# Allegro board RK3588_Template_LP4XD200P232SD8_41R0X41R0_2133MHz_H1R0_V11_20220216.brd (continued)
## Routing (per net, layer and track width the routed paths; a pad name or vN(x,y) marks a point on that pad's centre or on a via; arc(x,y) is an arc through that point) (continued)
52.7,60.94 52.7,61.12 U1000.AL23 52.57,61.72 ; 53.26,60.38 U1000.AJ22 ; U1000.W2 v1(66.26,53.23) ; U1000.W2 v1(66.91,53.88) ; U1000.W2 v1(66.26,53.88) ; v1(66.26,53.23) U1000.W3 ; U1000.A1 v1(67.56,41.53) ; U1000.V24 v1(51.97,53.23) ; U1000.U15 v1(58.46,52.58) U1000.V15 ; 53.25,45.41 U1000.F23 ; U1000.AA22 v1(53.92,55.18) U1000.AA21 ; U1000.AA22 53.28,54.55 ; U1000.AA22 v1(53.27,55.18) U1000.AA23 ; 56.83,58.1 56.52,57.78 ; 56.83,58.1 56.85,58.1 ; 56.83,58.1 57.15,58.41 57.18,58.41 ; 56.52,57.78 56.77,57.53 56.9,57.53 57.15,57.79 ; 56.52,57.78 U1000.AE18 U1000.AE19 55.22,57.13 ; U1000.Y15 v1(57.81,54.53) ; U1000.Y15 58.44,53.9 58.49,53.9 ; v1(57.81,54.53) U1000.AA16 ; v1(57.81,54.53) 57.49,54.2 U1000.Y16 ; U1000.F16 57.16,44.78 56.84,45.1 ; U1000.AB16 57.81,55.18 57.49,54.85 U1000.AA16 ; U1000.AB16 57.49,55.5 57.81,55.83 U1000.AC16 v1(57.81,56.48) U1000.AD16 57.49,56.8 57.81,57.13 ; U1000.AB16 U1000.AA17 ; U1000.J10 61.41,47.05 61.72,46.74 ; U1000.J10 61.72,47.38 ; U1000.D31 v1(47.41,43.48) U1000.C32 ; v1(60.41,46.73) 60.09,47.05 U1000.J12 v1(59.76,46.73) ; v1(60.41,46.73) U1000.H12 ; 54.59,47.35 54.54,47.35 U1000.J21 ; 55.87,47.38 U1000.K18 ; 55.87,47.38 U1000.J19 ; U1000.AC5 64.96,56.48 ; U1000.AC5 v1(64.97,55.83) ; U1000.AC5 64.32,55.83 ; 64.96,56.48 U1000.AC4 ; 57.81,53.24 U1000.V15 ; 57.81,53.24 57.82,53.24 U1000.W15 ; 65.62,61.03 v1(65.61,61.03) 65.29,60.7 U1000.AK4 64.97,61.03 ; 65.62,61.03 65.3,61.35 U1000.AL4 ; v1(45.34,32.51) 45.85,33.02 45.85,35.05 49.8,39 49.8,41.24 49.91,41.36 v1(49.91,41.4) ; 59.76,58.43 59.44,58.1 U1000.AF13 ; 59.76,58.43 U1000.AF12 ; 59.76,58.43 U1000.AG12 ; 56.18,71.5 56.39,71.29 56.39,69.6 56.51,69.48 56.51,63.71 56.52,63.7 v1(56.52,63.63) U1000.AP17 ; v1(44.96,58.43) v1(43.31,58.43) v1(41.4,58.43) v1(40.01,59.82) 38.35,59.82 ; U1000.AA21 54.57,54.52 ; U1000.AA21 v1(54.57,55.18) ; U1000.H25 51.32,46.73 ; U1000.H25 51.96,46.73 ; U1000.H25 51.33,46.09 51.3,46.09 ; 51.31,46.73 U1000.H26 ; 51.32,46.73 U1000.J25 ; U1000.P20 54.57,49.98 ; U1000.P20 55.22,50.63 ; 54.56,49.98 U1000.N20 ; v1(66.26,60.38) 65.94,60.05 U1000.AJ3 65.94,60.05 U1000.AH4 ; 55.87,52.59 55.86,52.59 U1000.V19 ; U1000.J29 49.04,47.05 49.38,46.71 ; 53.92,48.68 U1000.M22 ; 58.46,49.33 58.47,49.33 ; 58.46,49.33 U1000.M15 ; 58.46,49.33 U1000.N14 58.79,49.65 v1(58.46,49.98) ; 58.47,49.33 U1000.N15 v1(58.46,49.98) ; 64.31,55.17 U1000.AA6 ; 64.31,55.17 64.31,55.18 U1000.AB6 64.32,55.83 ; 64.31,55.17 U1000.AB5 ; U1000.AA6 63.64,54.5 63.94,54.2 U1000.Y6 ; U1000.AA6 64.37,54.47 ; 60.44,57.76 60.43,57.76 v1(60.41,57.78) ; v1(46.76,43.48) U1000.C32 ; U1000.C32 v1(46.76,42.83) U1000.B33 v1(46.11,42.83) ; 61.39,54.85 U1000.Y11 ; 61.72,47.38 U1000.K9 ; U1000.J24 51.97,46.73 ; U3801.V8 57.02,28.34 v1(56.97,28.39) ; v1(63.66,59.08) 63.99,58.75 ; U1000.AF13 v1(59.11,58.43) U1000.AF14 ; 61.72,58.42 62.36,57.78 ; 61.72,58.42 U1000.AG10 ; U1000.AF12 60.1,58.1 ; v1(55.22,51.93) U1000.T20 ; v1(55.22,51.93) 54.89,52.25 U1000.U20 ; v1(55.22,51.93) U1000.T19 ; U3801.T5 v1(58.69,30.72) ; U1000.G3 v1(66.26,45.43) U1000.F3 v1(66.26,44.78) 65.94,44.45 U1000.E3 ; 63.39,52.2 63,52.59 ; 63.39,52.2 v1(63.66,51.93) 63.66,51.96 63.98,52.27 ; 63.39,52.2 63.39,52.3 ; 63,52.59 63,52.57 62.37,51.93 ; 63,52.59 U1000.V8 ; 55.21,45.42 55.53,45.1 U1000.F19 ; 55.21,45.42 U1000.G19 ; v1(56.91,34.1) 57.01,33.99 57.01,33.57 U3801.V1 57.35,33.2 v1(57.35,33.2) ; v1(10.45,55.75) 10.45,55.77 10.45,55.77 U4000.J5 ; v1(62.36,51.28) U1000.T9 62.37,51.93 ; v1(62.36,51.28) U1000.R8 ; v1(62.36,51.28) 62.04,50.95 U1000.R9 v1(62.36,50.63) ; U1000.M22 v1(53.27,49.33) U1000.N22 ; U1000.C22 v1(53.26,43.48) ; U1000.C22 53.59,43.15 v1(53.92,42.83) U1000.C21 54.57,42.83 U1000.C20 54.89,43.15 v1(55.21,42.83) 55.54,42.5 U1000.B19 v1(55.22,42.18) ; v1(53.26,43.48) U1000.D23 ; 63.98,52.27 v1(63.67,52.58) 63.39,52.3 ; v1(67.1,24.43) U3801.C12 66.41,25.11 v1(66.41,25.21) 66.41,25.26 U3801.D11 ; 61.39,45.1 61.71,45.43 ; 61.39,45.1 v1(61.06,44.78) 60.74,45.1 U1000.F11 ; 61.39,45.1 U1000.F10 61.71,44.78 62.04,45.1 U1000.F9 ; 61.71,45.43 61.39,45.75 U1000.G10 v1(61.71,46.08) U1000.H10 ; 61.71,45.43 U1000.F9 ; v1(50.55,36.83) v1(49.53,35.81) 49.28,35.56 49.28,34.99 v1(48.32,34.04) v1(48.32,32.77) v1(48.32,31.5) v1(48.32,30.23) v1(48.32,28.96) v1(48.32,27.69) v1(48.32,26.42) ; U3800.Y5 v1(79.07,44.63) ; 51.31,57.78 U1000.AF25 v1(51.97,57.78) ; U3801.T3 57.94,31.57 v1(57.94,31.55) ; U1000.T24 v1(51.97,51.28) ; U1000.W6 v1(64.32,53.88) ; 64.37,54.47 64.26,54.47 U1000.Y6 ; 64.37,54.47 U1000.Y5 ; U3801.W2 v1(56.05,33.08) 55.72,33.4 U3801.Y1 ; 79.54,46.9 v1(79.14,46.5) U3800.T5 79.54,46.9 ; 79.54,46.9 80.6,46.9 v1(80.64,46.86) U3800.T8 ; v1(65.61,46.73) 65.29,47.05 U1000.J4 ; U3801.V5 57.02,30.47 57.27,30.72 v1(57.28,30.72) ; 51.97,46.73 51.64,47.05 U1000.J25 ; 64.32,55.83 64.32,55.82 U1000.AB5 ; 59.37,60.77 v1(59.76,60.38) ; 59.37,60.77 v1(59.12,61.03) ; v1(59.77,60.38) U1000.AJ12 ; v1(40.89,50.17) v1(41.91,50.17) v1(43.16,50.17) 43.31,50.17 43.41,50.27 43.41,50.33 43.65,50.57 43.71,50.57 43.77,50.63 v1(44.45,50.63) v1(45.46,50.63) U1000.P34 U1000.R33 v1(46.11,51.28) U1000.T33 46.44,51.6 v1(46.11,51.93) U1000.U34 v1(45.47,51.93) v1(44.45,51.93) v1(43.43,51.93) 42.59,52.77 v1(41.91,52.77) v1(40.89,52.77) v1(39.62,52.77) ; U1000.Y9 62.4,54.56 ; 60.44,59.7 U1000.AH11 61.09,59.06 U1000.AG10 ; 60.44,59.7 60.43,59.72 ; v1(51.31,47.38) U1000.K26 51.32,48.03 ; v1(51.31,47.38) U1000.J25 ; U1000.C15 58.14,43.15 v1(58.46,43.48) ; U1000.C15 58.14,43.15 v1(58.46,42.83) U1000.C14 ; U1000.AL4 v1(64.97,61.68) ; U1000.AL4 64.97,61.03 ; U1000.AL4 65.29,61.35 65.61,61.68 ; v1(64.96,61.68) U1000.AM4 ; v1(64.96,61.68) 64.64,61.35 U1000.AL5 64.97,61.03 ; 53.26,44.77 52.94,45.09 U1000.F23 ; 53.26,44.77 U1000.E23 53.26,44.14 53.27,44.14 ; U1000.AF14 U1000.AE15 ; U1000.AF14 v1(58.46,58.43) ; v1(53.92,58.43) U1000.AF21 ; v1(64.96,53.88) U1000.Y5 ; U1000.Y5 64.64,54.2 v1(64.32,53.88) ; U1000.T20 55.21,51.28 ; U1000.J21 53.92,46.73 ; U1000.R20 55.21,50.63 ; U1000.R20 55.22,51.28 ; v1(50.02,46.73) U1000.J28 49.69,47.02 49.38,46.71 ; v1(50.02,46.73) U1000.H28 49.38,46.71 ; v1(73.91,47.5) 73.91,47.37 74.22,47.07 75.38,47.07 U3800.T1 ; 56.85,59.39 56.85,59.41 U1000.AJ16 v1(57.81,60.38) U1000.AJ15 58.14,60.05 v1(58.48,60.4) U1000.AK14 ; 56.85,59.39 v1(56.52,59.73) U1000.AJ18 ; 44.45,64.26 44.95,63.76 44.95,63.49 v1(45.47,62.98) U1000.AP34 ; 65.61,43.47 U1000.C4 ; 65.61,43.47 65.93,43.15 U1000.C3 ; 61.71,57.13 61.39,56.8 U1000.AD10 ; U1000.AE6 v1(64.31,57.78) ; U1000.AE6 63.64,57.8 ; U1000.AL13 59.69,61.6 59.69,62.25 U1000.AN12 v1(59.76,62.98) ; U1000.AL13 v1(59.11,61.03) ; U1000.AM8 v1(62.36,62.33) U1000.AM9 ; 63.99,42.5 v1(64.31,42.83) ; 63.99,42.5 U1000.B6 ; v1(55.22,55.18) U1000.AA19 ; v1(55.22,55.18) 54.89,55.5 U1000.AB20 ; v1(55.22,55.18) U1000.AB19 ; U1000.Y12 59.82,53.93 ; U1000.P19 55.22,50.63 ; U1000.P19 v1(55.87,50.63) U1000.R18 U1000.T19 ; U3800.V5 v1(78.36,45.98) ; U1000.AM24 v1(51.97,62.33) ; U1000.AM24 52.57,61.72 ; U1000.AM24 52.61,62.32 ; U1000.T6 v1(64.31,51.28) U1000.R5 ; U1000.T6 63.99,51.6 63.65,51.94 ; U1000.AK14 v1(59.11,61.03) ; U1000.AM4 65.61,61.68 ; U1000.AM4 v1(64.97,62.33) ; U3801.E5 65.12,30.7 v1(65.12,30.73) 64.49,30.81 v1(64.49,30.81) 64.49,30.78 U3801.G5 64.52,30 v1(64.52,29.95) ; v1(61.06,55.83) U1000.AC11 ; U3801.W9 55.96,26.75 55.47,26.75 v1(55.4,26.67) ; U3801.W9 56.37,27.3 v1(56.06,27.61) U3801.Y8 ; v1(76.82,42.69) U3800.AB3 ; v1(51.32,42.83) 50.99,43.15 U1000.C26 ; U1000.Y10 61.69,54.5 ; U1000.Y10 U1000.W9 ; U1000.R8 v1(63.01,50.63) 62.69,50.3 U1000.P8 ; U1000.R8 v1(62.36,50.63) ; 51.93,54.49 U1000.AA24 ; 56.84,47.06 v1(57.16,46.73) 57.49,47.05 U1000.J16 v1(57.81,46.73) U1000.J15 58.14,47.05 v1(58.46,46.73) ; 56.84,47.06 56.52,47.38 ; 56.84,47.06 56.51,46.74 56.51,46.73 ; U1000.AG12 60.1,58.75 60.41,58.44 v1(60.41,58.43) ; U1000.AG12 59.82,59.03 59.82,59.13 U1000.AH12 60.4,59.72 60.43,59.72 ; U1000.F7 63.34,45.1 v1(63.66,44.78) ; U1000.J4 v1(65.62,47.38) ; U1000.J4 64.97,47.38 U1000.J5 ; U1000.J4 v1(64.96,46.73) U1000.J5 ; U1000.Y6 v1(64.32,53.88) ; v1(64.31,46.73) U1000.J6 ; v1(64.32,46.73) 64.64,47.05 ; U1000.J6 63.99,47.05 v1(64.31,47.38) ; v1(58.46,46.73) U1000.H14 ; 51.32,57.13 v1(51.97,57.78) ; U1000.W3 v1(66.26,53.88) ; U1000.W3 v1(65.61,53.23) ; U1000.AA24 U1000.Y23 ; U1000.AA24 v1(52.62,55.18) ; U1000.Y23 53.28,54.55 ; v1(53.27,51.28) U1000.R23 ; v1(53.27,51.28) U1000.T23 ; v1(75.87,53.77) 75.82,53.77 U3800.E1 ; U1000.AM23 v1(53.27,62.33) ; U1000.AM23 52.62,62.32 52.61,62.32 ; U1000.AM23 52.66,61.72 52.57,61.72 ; v1(53.27,62.33) U1000.AM22 53.82,62.23 54.47,62.23 v1(54.57,62.33) U1000.AM20 55.12,62.23 55.96,62.23 U1000.AM18 v1(56.51,62.33) ; v1(53.27,62.33) U1000.AN23 ; 58.49,53.9 U1000.W15 ; U1000.AA19 U1000.Y20 ; U1000.AA19 v1(55.87,55.18) ; U1000.Y20 54.57,54.52 ; U1000.AA3 v1(66.27,55.18) U1000.AB3 65.94,55.5 v1(66.26,55.83) U1000.AC3 ; U1000.AD20 54.89,56.8 v1(54.57,57.13) ; U1000.AD20 55.22,57.13 ; U1000.AJ12 60.09,60.05 60.43,59.72 ; U1000.P22 53.91,49.98 ; U1000.P22 53.27,49.98 U1000.N22 ; U1000.P22 v1(53.92,50.63) ; 53.92,49.98 U1000.N22 ; U3801.P1 59.62,33.51 v1(59.97,33.17) 60.27,32.86 U3801.N2 ; v1(60.41,46.08) U1000.H12 ; U1000.H12 v1(59.76,46.73) ; 54.57,48.68 54.57,48.67 U1000.L20 ; 54.57,48.68 U1000.M20 55.25,48.64 ; v1(62.5,30.82) 62.5,30.88 U3801.K4 ; U1000.H22 53.23,46.76 ; U1000.H22 53.59,46.4 v1(53.92,46.08) ; U1000.H22 53.92,46.73 ; U1000.C3 v1(65.61,42.83) 65.29,43.15 U1000.C4 ; U1000.C3 65.94,43.15 v1(66.26,42.83) ; v1(64.31,47.38) U1000.K6 ; v1(64.31,47.38) 64.64,47.05 ; 64.01,60.07 v1(64.31,60.38) U1000.AK5 64.97,61.03 ; 64.01,60.07 63.97,60.07 63.61,60.43 ; U1000.AC3 v1(65.61,56.48) 65.29,56.15 U1000.AC4 ; v1(60.41,43.48) 60.09,43.15 ; v1(60.41,43.48) U1000.C11 ; 60.09,43.15 v1(60.41,42.83) U1000.C11 ; 60.09,43.15 U1000.C12 v1(59.76,42.83) 59.44,43.15 U1000.C13 ; U3801.T1 58.32,34.19 58.52,34.39 v1(58.52,34.44) ; U1000.H10 61.72,46.74 ; v1(34.54,52.22) v1(35.94,52.22) v1(37.21,52.22) 37.23,52.2 C1101.2 ; v1(64.97,55.83) U1000.AB5 ; v1(64.97,55.83) U1000.AC4 ; U1000.H26 51.3,46.09 ; U1000.AA8 62.4,54.56 ; 50.67,52.57 50.41,52.31 50.28,52.31 ; U1000.P25 U1000.R26 ; 52.61,62.32 U1000.AN23 ; U1000.AN23 U1000.AP23 52.7,63.54 52.7,67.31 v1(51.98,68.04) 51.94,68.07 ; v1(58.46,43.48) U1000.C14 ; v1(63.66,44.78) 63.99,44.45 ; v1(63.66,44.78) 63.99,45.1 ; 63.99,44.45 U1000.E6 63.99,44.45 v1(64.31,44.78) 64.12,44.98 64.11,44.98 63.99,45.1 ; 63.99,44.45 v1(63.67,44.13) 63.75,44.04 63.75,43.39 ; v1(77.55,47.78) U3800.P3 v1(77.57,48.49) U3800.N4 ; v1(62.36,50.63) 62.04,50.3 U1000.P9 v1(62.36,49.98) ; U1000.AG18 v1(56.52,58.43) ; v1(56.52,58.43) 56.85,58.1 ; U1000.AF7 63.64,57.8 63.64,57.8 ; U1000.AF7 63.64,58.41 ; 57.81,57.13 U1000.AE16 ; 57.81,57.13 U1000.AE15 ; v1(55.22,55.83) 55.54,55.5 U1000.AB19 ; v1(55.22,55.83) U1000.AB20 ; U3801.AB3 54.22,31.95 v1(54.02,32.15) ; 63.64,58.41 63.99,58.75 ; U1000.P8 v1(63.01,49.98) ; U1000.P8 v1(62.37,49.98) ; v1(52.62,43.48) 52.94,43.8 U1000.D23 ; v1(52.62,43.48) U1000.D24 ; 53.27,44.14 52.94,43.8 U1000.D23 ; 62.36,53.23 U1000.V8 ; 62.36,53.23 62.04,53.55 U1000.W9 ; v1(61.06,61.03) 60.74,60.7 ; 55.22,50.63 U1000.R19 ; U1000.R19 55.21,51.28 ; U3800.V12 83.99,45.95 v1(83.97,45.95) ; U1000.V8 62.68,52.9 62.36,52.58 ; v1(60.41,57.78) 60.41,57.74 60.13,57.45 U1000.AE12 ; v1(60.41,57.78) 60.41,57.79 60.1,58.1 ; U1000.T19 55.22,51.28 ; U4000.H10 10.95,53.5 10.67,53.22 v1(10.52,53.22) ; U3800.K2 v1(76.02,51.13) 75.69,51.45 U3800.J1 ; v1(54.57,57.13) 54.89,57.45 U1000.AE20 55.22,57.13 ; v1(54.57,57.13) U1000.AE21 ; U1000.N29 49.04,49.65 v1(49.37,49.33) 49.04,49 U1000.M29 49.04,49 v1(48.72,48.68) ; U1000.L20 55.18,48.64 55.25,48.64 ; U1000.L20 54.89,48.35 54.58,48.04 ; 56.52,47.38 U1000.L16 v1(57.81,48.68) U1000.M15 ; 56.52,47.38 56.19,47.7 U1000.K18 ; v1(80.52,42.67) 80.81,42.67 U3800.AB8 ; U1000.L19 55.25,48.64 ; U1000.L19 v1(55.87,48.03) 56.19,47.7 U1000.K18 ; U3800.E12 v1(84.65,53.74) ; 62.36,52.58 v1(63.01,51.93) 63.39,52.3 ; U3800.P10 v1(83.19,47.88) ; U3800.P10 v1(82.4,47.87) ; U3800.P10 v1(82.28,48.59) 82.2,48.59 U3800.N9 ; v1(53.72,30.23) 54.29,30.23 U3801.AB5 ; U1000.M11 v1(60.41,48.68) ; U1000.M11 v1(61.06,48.68) ; v1(77.6,54.99) U3800.D4 ; U3800.D4 78.3,55.06 v1(78.37,55.06) 78.45,55.06 U3800.C5 v1(79.12,54.98) ; U3800.D4 v1(78.4,54.4) U3800.E5 ; 66.04,23.37 65.53,23.88 v1(65.53,24.23) 65.5,24.25 65.5,24.32 65.47,24.36 U3801.E12 ; U1000.W15 U1000.Y16 ; v1(83.12,52.57) 83,52.57 82.82,52.75 U3800.G10 ; U1000.AB20 v1(54.57,55.83) ; U1000.AB20 v1(54.57,55.18) ; U1000.Y16 v1(57.16,54.53) ; 63.99,58.75 U1000.AG6 ; U1000.F19 v1(55.86,45.43) U1000.G19 ; U1000.F19 55.54,45.1 v1(55.22,44.78) ; U1000.J5 64.64,47.05 ; U1000.N32 v1(46.76,49.33) U1000.M32 ; U1000.F23 v1(52.62,45.43) ; v1(57.17,54.53) U1000.AA16 ; v1(60.07,30.76) 60.27,30.96 U3801.N4 59.96,31.46 59.96,31.47 v1(59.94,31.5) 59.92,31.5 59.62,31.8 U3801.P3 59.39,32.19 v1(59.39,32.31) ; U1000.J19 55.54,47.03 55.23,46.72 ; U3801.A10 v1(68.4,26.03) ; U3800.K4 77.62,51.13 v1(77.59,51.13) 77.46,51.13 U3800.J3 ; v1(62.87,24.33) U3801.J12 v1(62.55,25.23) 62.37,25.4 ; U3801.N11 60.27,25.6 v1(60.58,25.91) 61.87,25.91 U3801.K11 62.37,25.4 ; U3801.N11 59.93,25.08 v1(59.93,25.07) 59.93,25.07 U3801.P12 59.62,24.71 v1(59.94,24.38) ; U3801.N11 60.42,25.4 62.37,25.4 ; 56.85,58.1 57.15,57.79 ; v1(69.11,41.02) 69.11,40.69 ; v1(55.87,53.88) U1000.W18 ; v1(76.81,47.23) U3800.T3 77.52,46.53 77.52,46.51 v1(77.52,46.5) ; 57.15,57.79 U1000.AE16 ; U3801.C1 v1(66.48,33.27) 66.12,32.9 U3801.D2 ; v1(55.87,55.18) 55.54,55.5 U1000.AB19 ; U1000.A34 v1(45.46,41.53) ; v1(68.96,75.18) 71.61,77.83 72.14,77.83 ; U1000.B27 50.34,42.5 v1(50.02,42.83) U1000.C28 v1(49.37,42.83) ; v1(66.26,58.43) U1000.AG3 U1000.AF4 65.29,58.1 v1(65.61,57.78) U1000.AE3 v1(65.61,57.13) ; U3801.C5 67.03,30.61 v1(67.03,30.73) ; v1(84.66,46.58) U3800.T12 ; U3800.D9 81.79,54.7 v1(81.55,54.46) U3800.E8 80.79,54.05 v1(80.72,54.13) ; U1000.C17 56.84,43.15 ; 52.02,51.23 v1(51.97,51.28) ; C2325.2 62.8,82.1 63.45,82.74 64.15,82.74 64.47,83.06 ; U3800.W11 v1(83.86,44.63) U3800.Y12 v1(84.66,43.98) ; U3801.E8 v1(65.47,28.39) ; U1000.G25 51.3,46.09 ; v1(11.34,55.64) 11.34,55.77 11.45,55.88 U4000.G5 ; U3800.G5 v1(79.03,53.05) ; 63.99,43.15 U1000.C6 v1(64.31,42.83) ; 63.99,43.15 63.75,43.39 ; v1(63.01,62.98) U1000.AN7 ; U3801.W4 56.64,31.42 v1(56.64,31.5) ; v1(64.32,42.83) 64.64,43.15 U1000.C5 v1(64.96,42.83) U1000.C4 ; U3800.G3 v1(77.47,53.08) ; U1000.H19 55.54,46.4 55.24,46.1 55.24,46.05 U1000.G19 ; U1000.H19 55.23,46.72 ; U1000.H19 55.54,46.4 v1(55.87,46.08) U1000.G19 ; 60.1,58.1 60.13,58.1 60.41,58.39 v1(60.41,58.43) ; U1000.R5 v1(64.96,50.63) 65.29,50.95 ; U1000.R5 v1(64.97,51.28) 65.29,50.95 ; U1000.F21 54.24,45.1 v1(54.57,44.78) ; U1000.F21 53.9,44.77 ; 56.84,45.1 56.51,45.43 56.64,45.56 56.64,46.6 56.51,46.73 ; 53.28,54.55 53.25,54.55 U1000.AA23 ; U1000.AA23 v1(52.62,55.18) ; 51.32,48.03 U1000.L26 v1(51.31,48.68) ; 51.32,48.03 51.64,48.35 U1000.L25 v1(51.32,48.68) ; U1000.E20 54.89,44.45 ; 54.89,44.45 v1(55.22,44.78) ; 54.89,44.45 v1(54.57,44.78) ; U3801.G3 64.44,32.23 v1(64.44,32.25) ; U3801.G10 v1(63.87,26.05) ; 65.29,50.95 v1(65.61,50.63) ; U1000.AP1 v1(67.56,63.63) ; U3801.D4 v1(66.45,31.48) ; U3800.V1 v1(75.86,45.93) ; v1(65.62,50.63) 65.94,50.3 ; U3801.AB10 v1(54.1,26.03) ; v1(11.56,51.18) 11.62,51.12 14.54,51.12 14.55,51.13 14.65,51.24 14.65,51.24 14.93,51.52 14.93,51.52 15.49,52.08 v1(15.49,52.45) ; U3801.T12 v1(58.62,24.46) ; U3800.C8 v1(80.76,54.98) ; v1(84.02,53.08) 84.02,53.08 U3800.G12 v1(83.92,52.43) ; v1(64.48,33.24) U3801.G1 ; v1(55.37,30.7) U3801.Y5 ; 63.61,60.43 U1000.AK7 ; v1(67.69,48.35) U1000.L1 ; v1(62.36,45.43) U1000.F9 ; 33.55,48.25 33.66,48.25 33.72,48.19 34.1,48.19 34.16,48.25 34.35,48.25 34.37,48.23 v1(34.54,48.41) ; 51.32,49.33 U1000.M25 51.64,49 v1(51.32,48.68) ; 51.31,49.33 U1000.M26 v1(51.31,48.68) ; U3801.D9 v1(66.45,26.83) ; U1000.AB24 v1(52.62,55.18) ; U3800.AB10 v1(82.74,42.42) ; U3801.G8 v1(64.46,28.25) ; v1(63.15,31.65) 63.15,31.67 U3801.J3 ; 51.64,61.35 v1(51.32,61.68) U1000.AM26 ; v1(75.25,48.49) U3800.P1 ; U3800.C12 v1(84.66,55.67) ; U3801.A3 68.12,31.95 v1(68.45,32.28) ; U1000.C30 v1(48.06,42.83) ; v1(81.55,51.68) 81.53,51.69 81.53,52.38 v1(81.53,52.39) 81.53,52.4 81.18,52.75 U3800.G8 81.54,53.15 81.54,53.18 v1(81.54,53.18) ; U3800.D11 v1(83.21,54.38) ; U3801.AB8 v1(54.76,28.3) ; U3801.K2 62.22,32.88 v1(62.51,33.17) 62.87,33.53 U3801.J1 ; U1000.AB29 v1(49.36,55.18)
  TOP w0.305: 50.99,47.05 51.32,46.73
  TOP w0.381: 35.05,48.41 v1(35.81,48.41) v1(37.34,48.41) ; C2253.2 v2(92.13,88.01) ; 34.54,51.66 v1(34.54,49.68) v1(34.54,48.41) ; 55.37,23.09 55.4,23.11 v1(55.4,24.43) ; 39.43,50.36 v1(39.62,50.17) ; C2255.2 v2(89.99,88.01)
  TOP w0.406: v1(68.96,75.18) 64.14,70.36 v1(64.14,70.1) ; v1(68.83,23.09) v1(67.56,23.09) v1(66.29,23.09) ; 19.18,50.51 19.92,50.51 19.94,50.54 20.44,50.54 20.47,50.51 v1(22.61,50.51) 22.86,50.51 22.86,50.52 23.37,50.52 23.37,50.51 v1(27.18,50.51) 29.25,50.51 29.32,50.44 31.35,50.44 ; 19.18,50.51 18.29,50.51 ; 19.18,50.51 19.18,50.48 19.18,50.49 19.17,50.49 19.17,50.48 19.17,50.48 19.17,50.43 v1(19.17,50.36) ; 27.18,25.92 28.52,24.58 ; v1(19.56,52.96) v1(21.59,52.96) v1(23.62,52.96) v1(25.65,52.96) v1(27.69,52.96) 29.59,52.96 ; v1(54.5,73.17) 54.57,73.24 v1(54.57,75.05) v1(54.57,78.69) v1(54.57,83.17) 54.57,83.96 55.71,85.09 ; v1(54.5,73.17) 56.18,71.5 ; v1(54.5,73.17) v1(52.64,75.04) 50.74,76.94 ; v1(21.59,53.91) v1(23.62,53.91) v1(25.65,53.91) v1(27.69,53.91) 29.45,53.91 ; 18.64,51.44 v1(19.24,51.44) v1(21.59,51.44) v1(23.62,51.44) 24.89,51.44 ; 29.34,41.64 29.84,41.14 33.19,41.14 33.2,41.14 33.71,41.64 38.54,41.64 38.65,41.53 ; v1(70.78,23.15) v1(71.67,24.05) v1(72.57,24.95) v1(73.47,25.85) 73.5,25.85 v1(74.39,26.74) 74.45,26.8 v1(74.45,28.07) v1(74.45,29.34) v1(74.45,30.61) v1(74.45,31.88) v1(74.45,33.15) v1(74.45,34.42) ; v1(26.1,60.45) 29.59,60.45 29.66,60.38 29.66,60.37 30.21,59.82 30.37,59.82 v1(30.38,59.82) v1(32.26,59.82) v1(34.16,59.82) 38.35,59.82 ; v1(34.54,52.22) 34.54,51.66 ; 38.65,41.53 v1(38.77,41.65) ; 38.65,41.53 v1(36.75,39.62) v1(33.91,39.62) v1(32.64,39.62) v1(31.37,39.62) v1(29.97,39.62) v1(25.91,39.62) v1(25.15,39.62) v1(24.38,39.62) 24.25,39.65 23.88,39.38 ; v1(63.75,23.09) v1(62.48,23.09) v1(61.21,23.09) v1(59.94,23.09) v1(57.4,23.09) v1(56.13,23.09) v1(54.86,23.09) v1(53.59,23.09) 51.59,23.09 v1(50.7,23.97) v1(49.8,24.87) v1(48.91,25.77) 48.89,25.77 48.32,26.34 ; v1(71.37,102.68) v1(71.37,98.61) v1(71.37,96.58) v1(71.37,94.55) 71.12,94.3 71.12,94.23 v1(68.71,91.82) ; 72.14,77.83 v1(81.77,77.83) 84.51,80.58 87.26,77.83 89.03,77.83 ; 24.89,51.44 29.6,51.44 29.7,51.34 32.13,51.34 ; 24.89,51.44 24.89,51.44 ; v1(59.76,64.28) 59.76,66.89 60.33,67.45 60.33,73.66 59.82,74.17 v1(59.82,74.5) v1(59.82,75.99) v1(59.82,78.03) v1(59.82,80.06) v1(59.82,82.09) 59.82,82.74 v1(61.66,84.58) ; 50.74,76.94 v1(46.86,76.94) 42.82,76.94 v1(41.53,78.23) 40.26,79.5 v1(40.26,80.77) 40.26,83.22 v1(40.31,83.27) 38.49,85.09 ; 50.74,76.94 50.74,78.33 53.07,80.65 v1(53.07,81.99) ; C1102.2 39.43,50.35 38.6,49.52 Y1100.4 ; 33.55,48.25 11.86,48.25 11.62,48.01 11.56,48.01 11.28,47.73 11.26,47.75 10.84,47.75 10.54,47.45 10.54,47.03 10.56,47.01 ; 25.92,74.45 25.92,71.11 v1(27.42,69.61) v1(28.34,68.69) 28.45,68.58 v1(30.2,68.58) v1(31.85,66.93) 32.8,65.98 v1(33.97,65.98) v1(35.37,65.98) v1(38.21,65.98) 42.74,65.98 44.45,64.26 v1(45.03,64.26) 48.89,64.26 v1(49.02,64.39) ; 69.11,40.69 v1(70.46,39.34) v1(72.36,37.44) v1(73.27,36.53) 73.3,36.56 v1(74.07,36.56) v1(75.34,36.56) v1(76.61,36.56) v1(77.6,36.56) 77.63,36.56 v1(79.02,37.95) 79.55,38.48 v1(80.01,38.48) v1(81.28,38.48) 81.31,38.51 v1(84.2,38.51) v1(84.84,38.51) ; v1(34.54,48.41) 35.05,48.41 ; 28.52,80.58 30.02,82.09 33.99,82.09 34.92,81.15 v1(34.92,77.09) 34.92,74.12 37.34,71.7 44.81,71.7 v1(45.03,71.49) 47.05,69.47 50.55,69.47 v1(51.18,68.83) 51.94,68.07 ; v1(24.51,25.78) 24.64,25.78 27.05,28.19 ; v1(45.34,32.51) v1(43.56,30.73) v1(41.15,28.32) v1(38.73,28.32) 32.89,28.32 v1(32.64,28.58) ; 14.73,50.04 v1(12.95,50.04) ; v1(39.62,52.77) 39.43,52.58 C1101.2 ; v1(85.88,40) v1(85.88,41.27) v1(85.88,42.54) v1(85.88,43.81) v1(85.88,47.62) v1(85.88,48.89) v1(85.88,50.16) v1(85.88,51.43) v1(85.88,52.7) v1(85.88,53.97) v1(85.88,55.24) v1(85.88,56.51) v1(85.88,57.78) v1(85.88,58.93) 85.88,59.18 85.24,59.82 v1(85.22,59.82) 84.58,60.45 v1(84.45,60.45) v1(83.57,60.45) v1(82.3,60.45) v1(81.03,60.45) v1(79.76,60.45) v1(78.49,60.45) v1(77.22,60.45) v1(75.95,60.45) v1(74.68,60.45) v1(73.41,60.45) ; v1(101.22,65.79) 98.81,65.79 ; v1(64.73,68.07) 64.73,68.23 v1(66.33,69.83) v1(71.1,74.6) v1(72.5,76) 72.51,76.01 v1(75.14,76.01) v1(78.08,76.01) v1(82.24,76.01) v1(85.85,76.01) 89.03,76.01 ; v1(45.46,41.53) 45.46,41.15 v1(44.83,40.51) v1(43.18,38.86) v1(41.66,37.34) v1(40.26,35.94) v1(38.55,34.23) v1(34.92,34.23) v1(31.54,34.23) 26.85,34.23 26.85,34.24 v1(26.8,34.24) 26.75,34.24 26.74,34.23 25.89,34.23 23.88,32.82 ; v1(73.84,62.99) v1(75.11,62.99) v1(76.38,62.99) v1(77.65,62.99) v1(78.92,62.99) v1(80.19,62.99) v1(81.46,62.99) v1(82.73,62.99) v1(84,62.99) v1(85.27,62.99) 86.11,62.99 88.91,60.19 89.03,60.19 ; v1(109.47,75.31) 108.78,76.01 v1(107.64,76.01) v1(101.47,76.01) v1(100.46,76.01) 98.81,76.01 ; 38.3,56.9 v1(33.78,56.9) 32.13,56.9 v1(31.62,56.39) 30.73,55.5 v1(27.69,55.5) v1(25.78,55.5) v1(22.48,55.5) v1(21.86,55.5) 21.31,56.04 21.31,56.66 18.45,59.53 12.1,59.53 11.97,59.65 11.32,59.65 10.97,59.3 10.97,59.1 v1(10.92,59.05) ; 23.88,64.26 v1(24.26,63.88) v1(26.42,61.72) 27.11,61.02 ; 89.03,69.63 v1(86.26,69.63) v1(84.99,69.63) v1(83.72,69.63) v1(82.45,69.63) v1(81.18,69.63) v1(79.91,69.63) v1(78.64,69.63) v1(77.37,69.63) v1(76.1,69.63) v1(74.83,69.63) v1(73.56,69.63) v1(67.56,63.63)
  L2-GND1 w0.089: 55.75,28.7 55.74,28.69 55.74,27.82 55.75,27.81 ; v1(79.12,54.98) 79.63,55.49 79.63,55.8 v1(79.1,56.34) ; 57.02,25.78 57.08,25.84 57.08,26.23 57.02,26.29 ; 54.99,25.65 55.04,25.71 55.04,26.24 54.99,26.29 ; 68.07,31.88 68.07,31.61 68.07,31.61 68.07,31.34 68.07,31.34 68.07,31.24 ; 85.12,50.04 v1(84.71,50.04) ; 84.2,46.99 84.11,46.9 83.61,46.9 83.57,46.86 ; 55.63,26.29 55.72,26.19 55.72,25.81 55.75,25.78 ; 82.68,52.83 82.68,52.98 82.68,52.99 82.68,53.26 82.68,53.27 82.68,53.34 ; 84.2,48.13 84.3,48.03 84.3,47.72 84.2,47.62 ; 82.55,46.23 82.52,46.25 81.94,46.25 81.91,46.23 81.91,45.59 ; 78.11,53.47 78.22,53.47 78.28,53.4 78.55,53.4 ; 66.17,32 66.21,32.04 66.21,32.6 66.17,32.64 ; 69.22,44.32 v1(69.22,44.7) 69.22,45.47 69.34,45.59 ; 63.5,24.89 63.52,24.91 63.52,25.51 63.5,25.53 ; 67.44,31.12 67.44,31.28 67.4,31.32 67.4,31.84 67.44,31.88 ; v1(72.9,52.41) 73.08,52.23 73.08,52.09 73.15,52.02 73.15,51.94 ; 76.45,56.01 77.09,56.01 ; 82.68,52.71 82.55,52.83 82.53,52.83 82.49,52.8 82.07,52.8 82.04,52.83 ; 82.04,54.61 82.17,54.74 82.25,54.74 82.26,54.73 82.52,54.73 82.53,54.74 82.8,54.74 ; 77.98,56.01 77.96,55.99 77.36,55.99 77.34,56.01 ; 77.09,54.1 77.01,54.02 76.54,54.02 76.45,54.1 ; 81.91,53.47 81.97,53.52 81.97,54.05 81.91,54.1 ; 57.02,32.64 57.02,32 ; 76.45,53.34 76.48,53.37 77.06,53.37 77.09,53.34 ; 64.14,27.94 64.21,27.86 64.21,27.51 64.14,27.43 ; 76.45,48.13 77.09,48.13 ; 62.87,26.42 62.87,26.17 62.87,26.16 62.87,25.89 62.87,25.89 62.87,25.65 ; 64.26,27.05 64.22,27.01 64.22,26.64 64.26,26.6 64.26,26.54 ; 82.04,52.07 82.55,52.07 ; 56.39,31.88 56.39,32.13 56.37,32.14 56.37,32.41 56.39,32.43 56.39,32.64 ; 56.39,25.78 56.37,25.8 56.37,26.27 56.39,26.29 ; 64.77,32 64.77,31.24 ; 76.45,44.96 76.63,44.96 76.63,44.95 76.9,44.95 76.9,44.96 77.09,44.96 ; 83.57,47.62 83.64,47.55 84.15,47.55 84.2,47.5 ; 78.61,46.99 78.49,46.86 77.98,46.86 ; 58.29,32 58.34,32.05 58.34,32.56 58.42,32.64 ; 65.6,26.35 66.14,26.35 ; 66.17,31.12 66.17,30.99 66.12,30.94 66.12,30.56 66.04,30.48 ; 68.07,30.48 68.07,30.54 68.07,30.54 68.07,30.81 68.07,30.81 68.07,30.99 ; 64.26,26.42 64.77,26.42 ; 57.66,32.77 58.29,32.77 ; 57.02,31.88 57.66,31.88 ; 59,24.96 59,25.47 ; 62.1,32 62.87,32
  L2-GND1 w0.104: v1(54.86,23.09) v1(56.13,23.09) v1(57.4,23.09) v1(59.94,23.09) v1(61.21,23.09) v1(62.48,23.09) v1(63.75,23.09) 65.02,23.09 65.05,23.11 66.27,23.11 v1(66.29,23.09) v1(67.56,23.09) v1(68.83,23.09) 68.86,23.11 70.74,23.11 v1(70.78,23.15) v1(71.67,24.05) v1(72.57,24.95) v1(73.47,25.85) 74.37,26.74 v1(74.39,26.74) 74.45,26.8 v1(74.45,28.07) v1(74.45,29.34) v1(74.45,30.61) v1(74.45,31.88) v1(74.45,33.15) v1(74.45,34.42) 74.45,35.15 v1(73.91,35.69) 73.27,36.33 v1(73.27,36.53) 73.3,36.56 v1(74.07,36.56) v1(75.34,36.56) v1(76.61,36.56) v1(77.6,36.56) 77.63,36.56 v1(79.02,37.95) 79.55,38.48 v1(80.01,38.48) v1(81.28,38.48) 81.41,38.61 84.1,38.61 v1(84.2,38.51) v1(84.84,38.51) 84.86,38.48 85.09,38.48 85.85,39.24 85.85,39.98 v1(85.88,40) v1(85.88,41.27) v1(85.88,42.54) v1(85.88,43.81) v1(85.88,47.62) v1(85.88,48.89) v1(85.88,50.16) ; 44.7,80.77 45.6,80.77 v1(45.98,81.15) ; 44.7,80.77 42.8,80.77 42.67,80.65 v1(42.55,80.65) 42.42,80.65 42.29,80.52 41.4,80.52 v1(41.02,80.14) 40.89,80.14 v1(40.26,80.77) ; 44.7,80.77 44.7,79.5 v1(44.48,79.27) ; 65.22,84.72 65.86,84.08 v1(65.93,84.08) 65.93,84.07 v1(65.93,83.29) ; 65.22,84.72 65.03,84.54 65.03,84.39 64.76,84.13 63.73,84.13 63.66,84.2 v1(63.37,84.2) 63.31,84.14 61.02,84.14 ; 65.22,84.72 v1(65.22,84.84) 65.22,84.95 v1(65.86,85.59) 65.86,86.36 v1(65.86,86.36) 65.86,94.36 64.17,96.06 ; 85.12,50.04 85.73,50.04 85.85,50.16 v1(85.88,50.16) ; v1(41.66,82.3) 41.53,82.42 40.51,82.42 ; 69.22,44.2 69.22,44.32 ; v1(50.55,36.83) v1(49.53,35.81) 48.34,34.62 48.34,34.05 v1(48.32,34.04) v1(48.32,32.77) v1(48.32,31.5) v1(48.32,30.23) v1(48.32,28.96) v1(48.32,27.69) v1(48.32,26.42) 48.34,26.4 48.34,26.34 v1(48.91,25.77) v1(49.8,24.87) v1(50.7,23.97) 51.44,23.24 v1(52.07,23.24) 52.2,23.11 ; 26.16,87.88 26.16,87.63 27.69,86.11 27.69,85.58 28.55,84.71 29.08,84.71 ; v1(85.88,50.16) v1(85.88,51.43) v1(85.88,52.7) v1(85.88,53.97) v1(85.88,55.24) v1(85.88,56.51) v1(85.88,57.78) v1(85.88,58.93) 85.88,59.16 v1(85.22,59.82) 84.58,60.45 v1(84.45,60.45) v1(83.57,60.45) v1(82.3,60.45) v1(81.03,60.45) v1(79.76,60.45) v1(78.49,60.45) v1(77.22,60.45) v1(75.95,60.45) v1(74.68,60.45) v1(73.41,60.45)
  L2-GND1 w0.381: 6.35,59.06 6.35,58.29
  L3-POWER1 w0.104: v1(43.56,82.42) 41.78,82.42 v1(41.66,82.3)
  L5-POWER2 w0.089: v1(54.57,44.78) v1(55.86,46.08) ; v1(54.57,44.78) v1(53.91,44.13) ; v1(54.57,44.78) 54.9,44.44 ; v1(63.67,52.58) v1(64.32,52.58) 64.32,52.63 64.91,53.23 v1(64.96,53.23) v1(65.61,53.23) ; v1(64.96,53.88) 64.64,54.2 64.64,55.51 v1(64.97,55.83) v1(65.61,56.48) v1(65.61,57.13) ; v1(57.16,46.73) v1(57.81,46.73) v1(58.46,46.73) ; v1(62.36,50.63) v1(62.36,51.28) ; v1(61.06,46.73) 62.36,48.03
  L6-S2 w0.089: v1(63.66,51.93) v1(63.01,51.93) v1(62.36,51.28) v1(62.36,50.63) v1(63.01,50.63) ; v1(63.66,51.93) v1(64.31,52.58) ; v1(63.66,51.93) v1(64.31,51.93) v1(64.31,52.58) ; v1(64.31,42.83) 64.31,42.81 64.96,42.16 ; 54.48,41.04 54.48,41.4 54.86,41.78 54.86,42.48 v1(55.21,42.83) ; v1(59.11,46.73) v1(58.46,46.73) v1(57.81,46.73) ; v1(64.96,53.23) v1(64.96,53.88) 64.96,54.53 ; v1(64.96,53.23) v1(65.61,53.23) v1(64.97,52.58) ; v1(64.96,53.23) v1(64.96,52.58) ; v1(52.61,43.48) v1(52.61,42.83) 52.58,42.79 52.58,42.32 51.94,41.69 ; v1(55.86,45.43) v1(55.86,46.08) 56.51,46.73 v1(57.16,46.73) v1(57.81,46.73) ; v1(55.86,45.43) v1(55.22,44.78) v1(54.57,44.78) v1(53.91,44.13) v1(53.26,43.48) v1(53.26,42.83) 53.26,42.34 52.84,41.92 52.84,41.85 v1(52.19,41.2) ; v1(55.86,45.43) 55.86,45.35 56.51,44.7 v1(56.51,44.13) v1(56.51,43.48) v1(56.51,42.83) 56.51,41.04 56.33,40.86 v1(56.08,40.86) ; v1(64.31,47.38) v1(63.01,47.38) v1(62.36,47.38) 62.36,46.48 ; v1(64.31,47.38) v1(64.31,48.03) v1(64.96,48.68) v1(64.32,49.33) v1(64.31,49.98) 64,50.29 63.5,50.29 63.16,50.63 v1(63.01,50.63) ; v1(64.31,47.38) v1(63.67,47.38) ; v1(50.02,42.83) 50.02,42.52 48.53,41.04 ; 66.93,44.34 68.05,43.22 ; 65.4,40.93 65.05,41.28 64.83,41.28 63.5,42.61 63.5,43.56 63.01,44.05 v1(63.01,44.13) ; 49.51,41.04 49.87,41.4 v1(49.91,41.4) ; v1(62.36,42.83) 62.44,42.83 62.44,42.59 63.99,41.04 ; v1(64.32,52.58) 64.32,52.5 ; v1(64.32,52.58) v1(64.97,52.58) ; 64.96,42.16 v1(64.96,42.83) ; 64.96,42.16 65.09,42.04 65.79,42.04 66.78,41.04 ; v1(66.26,53.23) 67.09,52.4 68,52.4 68.01,52.41 68.05,52.41 ; v1(49.37,42.83) 48.19,41.66 48.02,41.66 47.53,41.17 47.52,41.17 47.39,41.04 ; v1(66.27,55.18) 67.12,56.03 68.05,56.03 ; 62.36,46.48 61.96,46.08 v1(61.71,46.08) 61.41,45.77 60.72,45.77 v1(60.41,46.08) ; 62.36,46.48 63,45.85 63.9,45.85 v1(64.31,45.43) v1(64.96,45.43) 64.96,45.67 65.25,45.96 66.69,45.96 66.8,45.85 ; v1(53.92,42.83) 53.92,42.23 53.59,41.91 53.59,41.04 ; 68.05,55.32 67.77,55.32 66.78,54.33 65.16,54.33 64.96,54.53 ; v1(57.81,46.73) 57.49,46.4 57.49,45.75 v1(57.81,45.43) v1(57.81,44.78) 57.4,44.37 57.4,43.24 v1(57.81,42.83) 57.81,41.04 ; v1(66.26,51.93) 66.56,51.93 66.8,51.7 68,51.7 68.01,51.69 68.05,51.69 ; v1(66.26,43.48) 66.76,43.48 68.05,42.18 ; v1(82.42,56.98) 82.42,57.28 81.36,58.34 81.08,58.34 ; 68.05,57.32 67.86,57.13 v1(67.86,56.79) ; 64.96,54.53 64.85,54.53 64.52,54.86 64.52,55.38 v1(64.97,55.83) v1(65.61,56.48) v1(66.26,56.48) 66.77,56.48 ; v1(63.01,50.63) 62.91,50.63 ; 71.73,59.16 v1(71.25,58.67) ; v1(66.26,46.73) 68.05,46.73 ; 71.37,60.33 71.4,60.33